# KiCad board tc2-panelized.kicad_pcb (continued)
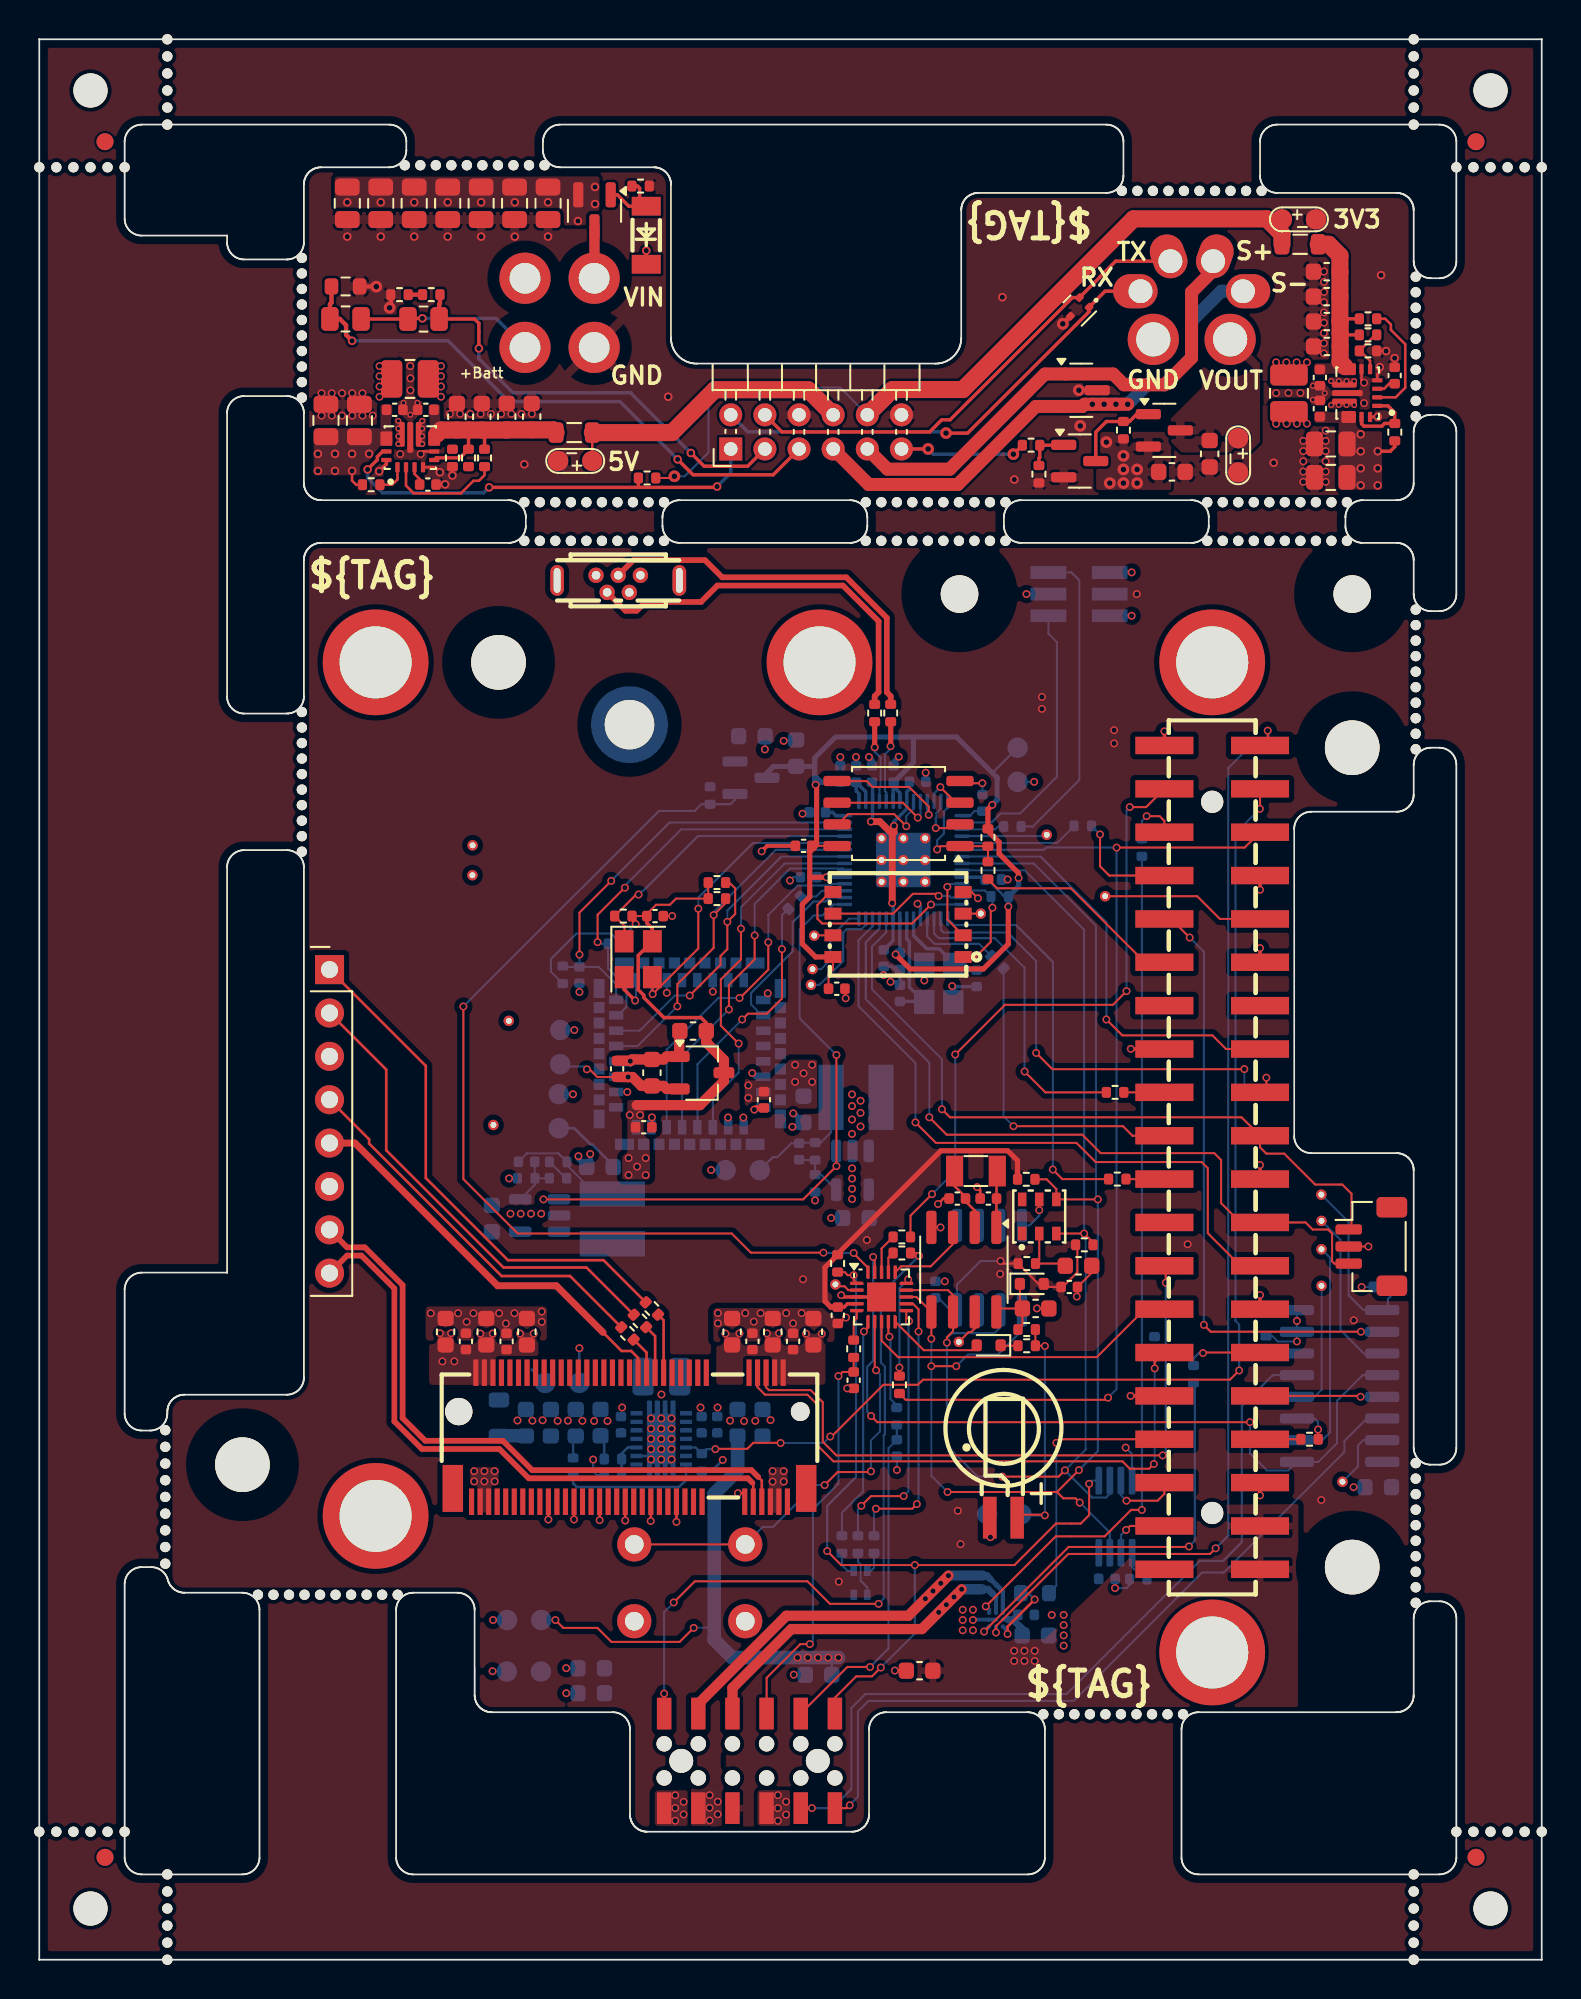
[diagram p0: board, top side]
## Routing (per net, layer and track width the routed paths; a pad name or vN(x,y) marks a point on that pad's centre or on a via; arc(x,y) is an arc through that point) (continued)
  Top w0.2: v1(34.9,56.19) 34.26,56.83 34.26,57.56 ; Board_0-J4.34 v1(71.5,62.68) ; Board_0-J4.39 v1(65.9,71.96) ; Board_0-J4.20 v1(71.5,46.55) ; v1(46.97,38.93) 46.97,38.91 47.05,38.83 Board_0-U1.3 Board_0-U1.21 ; Board_0-J4.30 v1(71.5,59.26) ; v1(50.11,16.94) 50.12,16.93 Board_0-C62.2 ; Board_0-J4.14 v1(71.5,38.94) ; v1(63.93,53.36) 63.94,53.35 Board_0-J4.25 ; Board_0-J4.6 v1(71.5,27.2) ; Board_0-J4.9 v1(63.92,33.03)
  Top w0.23: v1(42.31,64.93) 42.63,65.25 Board_0-C2.2
  Top w0.3: v1(41.88,49.8) 41.97,49.89 Board_0-C19.2
  Top w0.6: 37.48,54.37 37.48,52.91 36.74,52.91 36.57,52.74 Board_0-C23.2 34.72,52.74 v1(34.62,52.64) 34.59,52.67 Board_0-C22.2
  Bottom w0.12: Board_0-C11.2 44.78,67.21 v1(44.7,67.14) ; Board_0-R21.2 27.53,45.78 v1(27.52,45.77) ; Board_0-R23.2 45.44,44.48 v1(45.44,44.48) ; Board_0-C38.2 43.66,71.45 v1(43.6,71.4) ; Board_0-U8.25 34.95,56.24 v1(34.9,56.19) ; v1(46.38,43.45) 46.38,43.45 Board_0-C26.2 ; Board_0-C44.1 v1(50.23,28.69) ; v1(44.19,16.7) 44.2,16.69 Board_0-C64.2 ; Board_0-U8.27 36.75,56.64 v1(36.75,56.64) ; Board_0-C27.2 v1(31.64,56.69) ; Board_0-TP8.1 39.36,46.25 v1(39.35,46.26) ; Board_0-TP3.1 v1(58.27,69) ; v1(34.44,50.83) 34.44,50.83 Board_0-U8.18 ; v1(32.44,29.3) 32.44,28.61 32.66,28.39 Board_0-R45.2 ; Board_0-C10.2 44.17,63.42 v1(43.97,63.22) ; Board_0-TP10.1 v1(26.58,19.9) ; 31.54,17.07 30.88,17.07 v1(30.87,17.08) ; Board_0-C50.1 v1(63.01,21.77) 63.69,21.77 63.86,21.94 Board_0-R52.1 ; v1(63.63,30) 64,29.62 64,28.06 ; v1(55.24,68.92) 55.24,68.91 Board_0-C12.2 ; Board_0-C43.2 42.52,70.91 v1(42.5,70.9) ; Board_0-U15.8 v1(73.66,37.42) Board_0-U15.7 v1(73.66,36.22) 72.53,36.22 72.22,36.53 Board_0-R41.1 ; Board_0-C37.2 v1(76.98,27.68) ; Board_0-C48.1 v1(53.04,39.74) ; v1(58.57,43.91) 58.57,43.59 58,43.02 Board_0-U16.4 ; Board_0-R47.1 v1(77.45,39.41) ; 27.37,16.9 v1(26.55,16.9) ; Board_0-TP4.1 31.25,50.71 v1(31.26,50.7) ; Board_0-TP5.1 v1(31.34,54.46) ; 31.54,15.61 v1(30.87,15.61) ; Board_0-U8.30 v1(39.45,56.71)
  Bottom w0.15: v1(35.83,29.31) 35.63,29.51 Board_0-U5.2 ; 56.73,63.29 v1(56.72,63.28) Board_0-C8.2 ; Board_0-R44.2 39.38,28.63 v1(40.03,29.28) ; v1(31.63,35.82) 31.63,35.82 Board_0-TP1.1 ; v1(55.71,24.75) 55.71,25.91 Board_0-TP13.1
  Bottom w0.2: 50.41,57.28 v1(49.86,57.28) ; Board_0-C4.1 50.41,58.01 50.12,58.01 49.92,58.2 Board_0-C6.2 49.46,57.7 v1(49.45,57.69) ; Board_0-Y1.4 v1(51.84,57.37) ; Board_0-J9.6 v1(63.98,78.73) ; 54.9,57.01 53.75,57.01 53.54,56.8 Board_0-Y1.2 53.54,56.97 v1(53.47,57.03) ; Board_0-U3.19 51.61,61.69 v1(51.44,61.86) ; Board_0-J9.2 v1(63.98,81.27) ; Board_0-J9.3 v1(57.82,80)
  Bottom w0.23: v1(54.69,19.9) 54.71,19.93 Board_0-U14.C2 Board_0-U14.B2
  Bottom w0.3: v1(44.11,48.79) 44.52,48.79 Board_0-C31.2 44.23,49.58 v1(44.16,49.58) ; Board_0-C9.2 47.85,70.44 v1(47.84,70.45) ; Board_0-C5.2 51.93,69.53 v1(51.92,69.54) ; 42.38,49.89 41.97,49.89 v1(41.88,49.8) ; v1(40.34,49.34) 40.35,49.33 Board_0-U8.10 ; Board_0-U8.9 41.25,49.33 v1(41.24,49.34) ; v1(50.34,70.47) 50.04,70.17 Board_0-C14.2 ; v1(31.58,47.07) 31.58,46.92 Board_0-C30.2 32.27,46.64 v1(32.27,47.2) ; Board_0-C15.2 v1(46.92,70.45) ; v1(42.67,56.61) 42.67,56.48 Board_0-U8.1 ; v1(48.6,70.45) 48.78,70.27 Board_0-C7.2 ; v1(41.76,51.94) 41.98,51.73 Board_0-U8.6
  Bottom w0.4: 32.42,29.32 v1(32.44,29.3)
  Bottom w0.6: v1(34.62,52.64) 34.61,52.62 Board_0-U8.20
  vias: v1(22.93,37.87) v1(24.53,37.87) v1(25.03,37.37) v1(25.43,37.87) v1(25.47,28.62) v1(25.47,28.02) v1(26.07,28.62) v1(26.07,28.02) v1(26.67,28.62) v1(26.67,28.02) v1(26.93,37.87) v1(27.33,37.27) v1(27.6,43.7) v1(27.83,37.87) v1(28.01,31.59) v1(28.2,43.7) v1(28.8,43.7) v1(28.88,31.58) v1(29.4,43.7) v1(29.43,37.97) v1(29.43,37.37) v1(29.48,31.6) v1(30.36,31.57) v1(30.96,31.58) v1(31.81,31.57) v1(32.5,31.56) v1(33.28,31.56) v1(34.14,32.35) v1(35.83,31.71) v1(35.83,31.11) v1(35.83,30.51) v1(35.83,29.91) v1(36.44,33.11) v1(36.43,31.71) v1(36.43,31.11) v1(36.43,30.51) v1(36.43,29.91) v1(36.43,29.31) v1(37.03,31.71) v1(37.03,31.11) v1(37.03,30.51) v1(37.03,29.91) v1(37.03,29.31) v1(37.25,9.63) v1(37.25,8.89) v1(37.25,8.15) v1(37.74,9.25) v1(37.74,8.51) v1(38.73,32.35) v1(39.73,32.35) v1(39.75,37.88) v1(39.75,37.28) v1(40.46,31.58) v1(41.28,31.55) v1(41.35,37.88) v1(41.85,37.38) v1(41.94,31.57) v1(42.25,37.88) v1(42.83,31.61) v1(42.95,28.62) v1(42.95,28.01) v1(43.26,9.64) v1(43.26,8.88) v1(43.26,8.14) v1(43.6,28.62) v1(43.6,28.01) v1(43.74,9.26) v1(43.74,8.5) v1(43.75,37.88) v1(44.15,37.28) v1(44.65,37.88) v1(47.6,50.69) v1(47.6,50.01) v1(47.6,49.22) v1(47.6,48.38) v1(47.61,46.36) v1(47.61,45.76) v1(47.61,45.16) v1(47.61,44.56) v1(48.1,50.32) v1(48.1,49.61) v1(48.1,48.81) v1(54.09,20.5) v1(54.09,19.9) v1(54.09,19.3) v1(54.69,20.5) v1(54.69,19.3) v1(59.3,20.2) v1(60,20.2) v1(60,19.6) v1(60,19) v1(60,18.4)
Board_0-I2C_BUS_LOCK: length 6.6
  Top w0.12: v1(62.13,65.92) 62.13,64.05 62.67,63.51 Board_0-J4.33
  Bottom w0.12: Board_0-R53.1 v1(62.13,65.92)
Board_0-I2S_BCLK: length 24.2
  Top w0.12: v1(67.34,24.21) 67.31,24.18 60.29,24.18 v1(55.34,19.23)
  Bottom w0.12: Board_0-R34.1 67.68,33.72 67.68,24.55 v1(67.34,24.21)
  Bottom w0.23: Board_0-U14.C1 v1(55.34,19.23)
Board_0-I2S_DOUT: length 63.4
  Top w0.12: v1(68.9,24.1) 68.57,23.77 60.27,23.77 56.03,19.54 v1(56.03,19.17)
  Bottom w0.12: v1(68.9,24.1) 69.64,24.84 69.64,69.81 Board_0-R30.1
  Bottom w0.23: Board_0-U14.B1 v1(56.03,19.17)
Board_0-I2S_LRCLK: length 50.2
  Top w0.12: v1(55.44,20.7) 59.53,24.8 62.4,24.8 63.95,26.35 v1(64.58,26.35)
  Bottom w0.12: Board_0-R29.1 v1(64.58,26.35)
  Bottom w0.23: Board_0-U14.C3 55.63,20.5 v1(55.44,20.7)
Board_0-LEPTON_CLK_EN: length 17.1
  Top w0.12: v1(35.1,62.4) 34.96,62.4 Board_0-R17.1 34.27,60.56 34.27,59.7
  Bottom w0.12: v1(35.1,62.4) 35.3,62.6 35.36,62.6 38.58,65.82 Board_0-U3.39
Board_0-LEPTON_I2C_SCL: length 21.4
  Top w0.12: v1(37.37,55.85) 37.37,57.15 39.5,59.27 v1(39.5,61.2) 40.2,61.9 Board_0-R36.2
  Bottom w0.12: Board_0-U8.21 35.05,53.52 v1(37.37,55.85) ; v1(39.5,61.2) 39.5,61.38 43.14,65.02 Board_0-U3.37
Board_0-LEPTON_I2C_SDA: length 22.1
  Top w0.12: v1(38.1,56.48) 39.9,58.28 39.9,58.8 40.3,59.2 v1(40.3,60.8) 40.76,61.26 40.76,62.76 40.42,63.1 Board_0-R13.2
  Bottom w0.12: Board_0-U3.36 43.46,64.62 40.3,61.46 v1(40.3,60.8) ; Board_0-U8.22 35.16,54.42 37.22,56.48 v1(38.1,56.48)
Board_0-LEPTON_MASTER_CLK: length 18.5
  Top w0.12: v1(38.6,61.57) 38.6,59.24 v1(35.92,56.57) 35.92,57.61
  Bottom w0.12: Board_0-U3.38 41.8,65.42 38.6,62.22 v1(38.6,61.57) ; v1(35.92,56.57) 35.85,56.64 Board_0-U8.26
Board_0-LEPTON_POWER_EN: length 37.8
  Top w0.12: v1(29.53,44.54) 44.74,44.54 v1(46.69,46.49) v1(46.69,53)
  Bottom w0.12: v1(46.69,53) 44.54,55.15 44.54,60.35 45.36,61.17 45.87,61.17 46.52,61.82 Board_0-U3.29 ; Board_0-U10.1 30.44,44.54 v1(29.53,44.54) ; v1(46.69,46.49) 46.68,46.5 Board_0-U11.1
Board_0-LEPTON_PWR_DWN_L: length 23.7
  Top w0.12: v1(32.7,59.61) 32.7,61.21 34.29,62.8 v1(34.3,62.8)
  Bottom w0.12: Board_0-U3.40 37.6,66.22 34.3,62.92 v1(34.3,62.8) ; v1(32.7,59.61) 32.8,59.52 Board_0-R18.2 33.32,58.06 34.39,56.99 34.39,55.81 33.9,55.33
Board_0-LEPTON_RESET_L: length 25.3
  Top w0.12: v1(33.5,63.2) 31.64,61.34 v1(31.64,58.88)
  Bottom w0.12: v1(33.5,63.2) 36.92,66.62 Board_0-U3.41 ; Board_0-C27.1 30.7,58.16 ; Board_0-C27.1 v1(31.64,58.88) ; Board_0-C27.1 32.77,58.16 33.79,57.14 Board_0-U8.24
Board_0-LEPTON_SPI_CS: length 20.9
  Top w0.12: v1(42.7,59.6) 42.7,58 41.04,56.34 v1(41.01,56.34)
  Bottom w0.12: Board_0-U3.32 46.47,63.02 46.37,62.92 44.41,62.92 42.7,61.21 v1(42.7,59.6) ; Board_0-U8.14 36.75,53.33 39.76,56.34 v1(41.01,56.34)
Board_0-LEPTON_SPI_MISO: length 2.8
  Bottom w0.12: 44.55,62.29 45.51,62.29 45.84,62.62 Board_0-U3.31
Board_0-LEPTON_SPI_MOSI: length 21.6
  Top w0.12: v1(40.96,53.67) 39.92,54.71 39.92,57.42 41.1,58.6 v1(41.1,60.4)
  Bottom w0.12: Board_0-U8.11 39.45,50.45 40.96,51.97 v1(40.96,53.67) ; v1(41.1,60.4) 41.1,61.66 43.66,64.22 Board_0-U3.35
Board_0-LEPTON_SPI_SCLK: length 21
  Top w0.12: v1(40.39,55.67) 40.39,57.09 41.9,58.6 v1(41.9,60)
  Bottom w0.12: Board_0-U8.13 37.65,52.92 v1(40.39,55.67) ; Board_0-U3.34 47.07,63.92 43.97,63.92 41.9,61.85 v1(41.9,60)
Board_0-LEPTON_VSYNC: length 10.4
  Bottom w0.12: Board_0-U3.30 46.28,62.22 46.05,61.99 45.35,61.99 44.13,60.77 44.13,59.07 41.69,56.63 41.69,55.96 42.33,55.33 Board_0-U8.2
Board_0-MEM_SPI_MISO: length 4.2
  Top w0.12: v1(53.19,62.85) 53.19,60.93 Board_0-U4.2
  Bottom w0.12: Board_0-U3.11 53.36,63.02 v1(53.19,62.85)
Board_0-MEM_SPI_MOSI: length 10.9
  Top w0.12: 46.34,62.55 45.58,61.79 45.58,60.98 45.86,60.7 51.12,60.7 v1(52.23,61.81)
  Bottom w0.12: Board_0-U3.14 52.24,61.82 v1(52.23,61.81)
Board_0-MEM_SPI_SCLK: length 8.1
  Top w0.12: v1(52.68,62.32) 52.56,62.44 51.16,62.44 50,61.28 Board_0-U4.6
  Bottom w0.12: Board_0-U3.13 53.4,62.22 53.3,62.32 v1(52.68,62.32)
Board_0-MEM_SPI_~{CS}: length 6.4
  Top w0.12: Board_0-U4.1 54.84,58.74 55.73,59.63 55.73,61.53 v1(55.83,61.63)
  Bottom w0.12: v1(55.83,61.63) 55.83,62.2 ; 54.05,62.63 55.4,62.63 Board_0-R9.1
Board_0-MODEM_POWER_EN: length 69.3
  Top w0.12: v1(46.33,30.65) 46.41,30.65 49.44,33.68 51.46,33.68 51.76,33.98 69.74,33.98 v1(70.28,34.52) ; v1(71.49,67.42) 71.5,67.43 Board_0-J4.38 ; v1(43.42,30.27) 43.41,30.28 41.82,30.28 41.47,29.93 39.62,29.93 v1(39.6,29.91)
  Bottom w0.12: v1(39.6,29.91) 39.06,29.91 Board_0-R44.1 38.44,30.01 Board_0-U5.12 ; v1(43.42,30.27) 45.95,30.27 v1(46.33,30.65) ; v1(71.49,67.42) 70.06,65.99 70.06,37.43 70.28,37.21 v1(70.28,34.52)
Board_0-MUL_S0: length 35.2
  Top w0.12: v1(77.41,36.79) 68.61,36.79 v1(68.21,37.19) ; 66.29,60.97 v1(67.38,59.88)
  Bottom w0.12: v1(68.21,37.19) 68.21,59.05 v1(67.38,59.88) ; Board_0-U15.10 77.41,36.78 v1(77.41,36.79)
Board_0-Net-(D2-K): length 1
  Top w0.12: Board_0-R7.2 56.33,35.97
Board_0-Net-(J4-GPIO14/TXD): length 2.3
  Top w0.12: Board_0-J4.8 73.8,30.49
Board_0-Net-(J4-GPIO18/PWM0): length 4.5
  Top w0.12: v1(68.16,35.54) 68.19,35.57 Board_0-J4.12
  Bottom w0.12: Board_0-R34.2 67.61,35.23 67.92,35.54 v1(68.16,35.54)
Board_0-Net-(J4-GPIO19/MISO1): length 3.3
  Top w0.12: Board_0-J4.35 65.9,66.71 65.62,66.99 v1(64.86,66.99)
  Bottom w0.12: Board_0-R29.2 64.58,66.71 v1(64.86,66.99)
Board_0-Net-(J4-GPIO21/SCLK1): length 1.3
  Top w0.12: v1(71.95,72) 71.95,71.58
  Bottom w0.12: v1(71.95,72) 72,71.95 Board_0-R30.2
Board_0-Net-(R20-Pad2): length 1.3
  Bottom w0.12: 30.84,45.78 29.89,46.73
Board_0-Net-(U3-XIN): length 5.5
  Bottom w0.2: Board_0-Y1.1 54.2,58.3 54.53,57.97 Board_0-C3.2 ; Board_0-U3.20 51.21,60 51.99,59.22 52.72,59.22 53.54,58.39
Board_0-Net-(U3-XOUT): length 6.8
  Bottom w0.2: Board_0-U3.21 50.81,59.8 50.97,59.64 50.97,56.97 Board_0-Y1.3 51.8,56.13 Board_0-C4.2
Board_0-Net-(U5-FB): length 2.3
  Bottom w0.15: Board_0-U5.3 34.48,30.01 34.11,29.64 Board_0-R42.2 Board_0-R45.1
Board_0-Net-(U5-PG): length 8.3
  Bottom w0.15: Board_0-R43.2 31.27,27.9 31.48,27.69 37.47,27.69 37.88,28.1 Board_0-U5.14
Board_0-Net-(U8-SPI_MISO): length 15.6
  Top w0.12: v1(41.17,55.08) 41.51,55.42 42.61,55.42 43.5,56.31 v1(43.5,59.2)
  Bottom w0.12: Board_0-U8.12 38.55,52.46 v1(41.17,55.08) ; Board_0-R16.2 43.5,61.18 v1(43.5,59.2)
Board_0-Net-(U12-USIM_CLK): length 2.9
  Top w0.15: Board_0-R26.1 36.07,36.53 Board_0-U12.32
Board_0-Net-(U12-USIM_DATA): length 3
  Top w0.15: 35.55,34.33 35.55,35.11 ; Board_0-R27.1 35.57,35.57 Board_0-U12.34
Board_0-Net-(U12-USIM_RST): length 3.5
  Top w0.15: Board_0-R25.1 36.57,37.46 Board_0-U12.30
Board_0-Net-(U14-~{SD_MODE}): length 4.2
  Top w0.15: v1(58.3,21.1) 56.71,19.51 v1(56.71,19.08)
  Bottom w0.15: v1(58.3,21.1) 57.93,21.47 57.47,21.47
  Bottom w0.23: Board_0-U14.A1 56.71,19.25 v1(56.71,19.08)
Board_0-Net-(U15-1Y2): length 4.1
  Bottom w0.12: Board_0-TP15.1 77.24,28.91 77.24,30.13 77.55,30.44 Board_0-U15.15
Board_0-Net-(U15-1Y3): length 9.9
  Bottom w0.12: Board_0-U15.11 77.59,35.52 76.21,36.89 76.21,42.17 Board_0-TP11.1
Board_0-Net-(U15-2Y2): length 13.1
  Bottom w0.12: Board_0-U15.2 75.14,30.44 75.6,30.89 75.6,41.12 Board_0-TP16.1
Board_0-Net-(U15-2Y3): length 7.7
  Bottom w0.12: 75.11,39.49 75.11,33.39 74.69,32.98 Board_0-U15.4
Board_0-Net-(U15-S1): length 10.4
  Bottom w0.12: Board_0-TP7.1 76.69,43.22 76.69,38.93 77.56,38.05 Board_0-U15.9 78.99,38.38 78.99,38.7 79.14,38.85 Board_0-R47.2
Board_0-Net-(U18-READY): length 2.2
  Bottom w0.12: Board_0-R52.2 64.88,22.71 64.72,22.87 64.13,22.87 64,23 64,23.84
Board_0-OUT_RX: length 44.8
  Top w0.12: Board_0-J10.2 47.3,8.88 v1(47.47,9.05)
  Bottom w0.12: v1(47.47,9.05) 47.47,9.07 47.95,9.55 47.95,14.54 48.57,15.16 60.58,15.16 68.1,22.68 69.37,22.68 76.44,29.75 76.44,30.38 77.77,31.7 Board_0-U15.14
Board_0-OUT_TX: length 47
  Top w0.12: Board_0-J10.4 v1(45.25,8.88)
  Bottom w0.12: Board_0-U15.5 72.25,34.24 70.43,32.43 70.43,24.46 69.33,23.36 67.97,23.36 60.17,15.56 48.37,15.56 47.56,14.75 47.56,9.99 46.45,8.88 v1(45.25,8.88)
Board_0-PDM_CLOCK: length 18.2
  Bottom w0.12: Board_0-J9.1 60.45,81.27 60.92,80.8 60.92,69.11 58.19,66.38 Board_0-R28.2
Board_0-PDM_DATA: length 16.3
  Bottom w0.12: Board_0-U3.2 55.78,66.62 56.31,67.15 57.46,67.15 59.6,69.29 59.6,77.19 59.1,77.69 Board_0-J9.5
Board_0-QSPI_SCLK: length 6.1
  Top w0.12: v1(51.45,66.9) 50.58,67.78 46.76,67.78
  Bottom w0.12: v1(51.45,66.9) 51.61,67.06 Board_0-U3.52
Board_0-QSPI_SD0: length 7.3
  Top w0.12: v1(52.1,67.07) 52.1,67.55 50.95,68.7 48.81,68.7 48.46,69.05 46.76,69.05
  Bottom w0.12: Board_0-U3.53 52.01,67.16 v1(52.1,67.07)
Board_0-QSPI_SD1: length 3.2
  Top w0.12: 53.96,66.5 53.75,66.29 v1(52.51,66.29)
  Bottom w0.12: Board_0-U3.55 52.81,67.44 52.54,67.17 52.54,66.89 52.51,66.86 v1(52.51,66.29)
Board_0-QSPI_SD2: length 2.3
  Top w0.12: 53.69,67.78 v1(52.78,68.69)
  Bottom w0.12: v1(52.78,68.69) 52.41,68.32 Board_0-U3.54
Board_0-QSPI_SD3: length 6.2
  Top w0.12: v1(50.78,66.4) 50.07,67.11 47.37,67.11 46.76,66.5
  Bottom w0.12: v1(50.78,66.4) 50.78,66.99 51.21,67.42 Board_0-U3.51
Board_0-QSPI_SS: length 7
  Top w0.12: v1(52.59,65.04) 52.78,65.23 53.96,65.23 ; Board_0-R1.1 55.57,65.22 ; Board_0-R2.2 53.97,65.23
  Bottom w0.12: v1(52.59,65.04) 52.59,65.57 52.98,65.96 52.98,67.27 53.21,67.49 Board_0-U3.56
Board_0-RPI_PING: length 25.5
  Top w0.12: v1(62.5,55.08) 63.43,54.15 68.71,54.15 69.51,53.35 Board_0-J4.26
  Bottom w0.12: Board_0-U3.7 58.65,64.62 62.5,60.77 v1(62.5,55.08)
Board_0-RPI_RX: length 7.2
  Top w0.12: Board_0-J4.10 77.34,33.03 v1(77.39,32.98)
  Bottom w0.12: Board_0-U15.13 77.4,32.98 v1(77.39,32.98)
Board_0-RPI_SCL: length 4.4
  Top w0.12: Board_0-J4.5 65.9,27.29 65.5,26.89 v1(63.68,26.89)
  Bottom w0.12: Board_0-U18.3 63.36,27.21 v1(63.68,26.89)
Board_0-RPI_SDA: length 3.8
  Top w0.12: Board_0-J4.3 63.89,25.41 v1(63.66,25.18)
  Bottom w0.12: v1(63.66,25.18) 63.36,24.88 Board_0-U18.6
Board_0-RPI_SPI_CS: length 26.4
  Top w0.12: v1(70.58,52.17) 59.34,52.17 v1(58.39,53.12)
  Bottom w0.12: v1(58.39,53.12) 58.39,58.5 56.71,60.18 52.95,60.18 52.81,60.32 Board_0-U3.16 ; v1(70.58,52.17) 70.58,51.07 Board_0-R31.2
Board_0-RPI_SPI_MISO: length 18.6
  Top w0.12: Board_0-J4.21 64.03,48.27 63.47,48.83 v1(57.06,48.83)
  Bottom w0.12: Board_0-R48.2 56.48,49.41 v1(57.06,48.83)
Board_0-RPI_SPI_MOSI: length 22.9
  Top w0.12: v1(59.36,46.29) 59.92,45.73 Board_0-R14.2
  Bottom w0.12: v1(59.36,46.29) 59.37,46.3 59.37,58.45 57.21,60.61 53.58,60.61 Board_0-U3.15
Board_0-RPI_SPI_SCLK: length 18.4
  Top w0.12: v1(57.71,52.03) 58.93,50.81 Board_0-R32.2
  Bottom w0.12: v1(57.71,52.03) 57.71,58.11 55.98,59.84 52.69,59.84 52.41,60.12 Board_0-U3.17
Board_0-RPI_TX: length 2.3
  Top w0.12: v1(74.9,31.06) 74.91,31.05 Board_0-R37.2
  Bottom w0.12: Board_0-U15.3 74.69,31.7 74.9,31.5 v1(74.9,31.06)
Board_0-RTC_BT_SENSE_PHY: length 5.6
  Top w0.12: Board_0-D2.2 54.62,35.71 51.8,35.71 Board_0-U1.10
Board_0-RUN: length 38.4
  Top w0.12: v1(51.32,49.05) 52.52,47.85 60.75,47.85 61.87,46.73 68.08,46.73 68.44,46.37 68.44,42.56 70.35,40.65
  Bottom w0.12: v1(51.32,49.05) 51.32,52.53 47.98,55.87 47.98,59.71 48.81,60.54 Board_0-U3.26
Board_0-SCL: length 71.8
  Top w0.12: Board_0-U1.14 53.23,39.23 53.52,38.93 Board_0-U6.6 53.52,36.82 53.16,36.46 v1(53.16,36.15) ; Board_0-U13.3 v1(61.2,42.54) 61.72,42.02 Board_0-R11.2 ; v1(56.4,28.3) 59.7,28.3 v1(60.07,28.67)
  Bottom w0.12: v1(56.4,28.3) 54.97,28.3 53.16,30.11 v1(53.16,36.15) 53.16,36.41 53.44,36.69 53.57,36.69 53.58,36.7 55.94,36.7 56.29,37.05 Board_0-U16.6 ; 62.7,28.06 62.7,27.3 62.47,27.07 61.67,27.07 v1(60.07,28.67) 61.29,29.89 61.29,42.45 v1(61.2,42.54) 61.2,60.33 57.71,63.82 Board_0-U3.9
Board_0-SDA: length 79.9
  Top w0.12: v1(62,44.54) Board_0-U13.4 59.57,45.15 59,45.72 Board_0-R10.2 ; 59.61,27.4 59.98,27.03 60.69,27.03 v1(60.94,26.78) ; 59.61,27.4 v1(53.2,27.4) ; 59.61,27.4 v1(60.89,28.68) ; v1(52.25,36.38) Board_0-U6.5 51.38,38.83 Board_0-U1.13 ; v1(53.71,34.77) v1(52.25,34.77)
  Bottom w0.12: v1(53.2,27.4) 52.25,28.35 v1(52.25,34.77) v1(52.25,36.38) ; Board_0-U3.8 58.24,64.22 61.89,60.57 61.89,44.65 v1(62,44.54) 62,29.79 v1(60.89,28.68) ; v1(60.94,26.78) 62.7,25.02 62.7,23.84 ; Board_0-U16.5 57.56,36.86 56.15,35.45 54.39,35.45 v1(53.71,34.77)
Board_0-SPEAKER_+: length 25.1
  Top w0.6: Board_0-J10.9 38.6,14.99 43.76,20.15 50.9,20.15 v1(53.25,22.5)
  Bottom w0.23: Board_0-U14.A3 56.44,21.59 56.37,21.65
  Bottom w0.292: 56.06,21.95 56.07,21.95 56.37,21.65
  Bottom w0.3: 56.06,21.95 55.7,22.31
  Bottom w0.4: 55.7,22.31 55.51,22.5 55.25,22.5
  Bottom w0.6: 55.25,22.5 v1(53.25,22.5) v1(51.9,21.15)
  vias: v1(52.35,21.6) v1(52.8,22.05)
Board_0-SPEAKER_-: length 22.3
  Top w0.6: v1(54.02,21.7) 51.7,19.37 44.05,19.37 40.6,15.92 Board_0-J10.7
  Bottom w0.23: 56.03,21.25 Board_0-U14.B3
  Bottom w0.3: 56.03,21.25 55.86,21.42
  Bottom w0.4: 55.22,21.7 55.58,21.7 55.86,21.42
  Bottom w0.6: v1(52.68,20.35) 52.98,20.64 52.98,20.65 v1(54.02,21.7) 55.22,21.7
  vias: v1(53.13,20.8) v1(53.58,21.25)
Board_0-SPEAKER_SD_MODE: length 15.4
  Top w0.12: v1(59.57,30.28) 59.78,30.49 Board_0-J4.7
  Bottom w0.12: v1(59.57,30.28) 59.57,21.92 59.12,21.47
Board_0-SW_CLK: length 41.7
  Top w0.12: v1(52.87,49.82) 53.34,49.35 70.42,49.35 Board_0-J4.22 71.5,47.59 71.87,47.22 72.92,47.22 74.73,45.41 76.32,45.41 76.86,44.87 76.86,42.78
  Bottom w0.12: v1(52.87,49.82) 52.87,52.76 48.77,56.86 48.77,59.34 49.61,60.18 Board_0-U3.24
Board_0-SWD: length 43.7
  Top w0.12: v1(52.13,49.35) 53.15,48.33 61.09,48.33 62.17,47.25 68.82,47.25 69.22,46.85 69.22,44.32 70.35,43.19 ; 76.86,40.78 76.06,40.78 ; Board_0-J3.3 75.85,40.78 75.72,40.91 75.72,42.55 75.49,42.77 74.59,42.77 74.17,43.19 Board_0-J4.18
  Bottom w0.12: v1(52.13,49.35) 52.13,52.55 48.41,56.27 48.41,59.61 49.21,60.41 Board_0-U3.25
Board_0-unconnected-(J12-ID-Pad4): length 0
  Top w0.33: 34.57,80.09 Board_0-J12.4
Board_0-USB_D+: length 22.7
  Top w0.33: Board_0-R50.2 49.87,74.02 49.64,74.25 49.64,78.61 47.27,80.98 40,80.98 38.99,81.98 34.8,81.98 Board_0-J12.3
Board_0-USB_D-: length 22.8
  Top w0.33: Board_0-R51.2 48.93,74.02 49.16,74.25 49.16,78.41 47.07,80.5 39.72,80.5 38.76,79.54 35.51,79.54 34.99,79.02 34.34,79.02 Board_0-J12.2
Board_0-USIM_CLK: length 27.9
  Top w0.15: Board_0-R26.2 32.05,40.55 27.19,40.55 20.32,47.42 20.32,52.15 17.01,55.46 Board_0-J11.2
Board_0-USIM_DATA: length 22.8
  Top w0.15: Board_0-J11.4 19.32,48.06 19.32,47.81 27.08,40.05 31.09,40.05 Board_0-R27.2
Board_0-USIM_RST: length 30.4
  Top w0.15: Board_0-R25.2 33.05,40.98 27.45,40.98 22.64,45.79 22.64,52.36 Board_0-J11.1
Board_0-USIM_VDD: length 24.2
  Top w0.15: Board_0-U12.36 35.07,35.26 34.67,35.66 34.11,35.66 33.02,36.75
  Top w0.4: 33.02,36.75 30.29,39.48 26.85,39.48 18.49,47.84 Board_0-J11.5
Board_0-~{EN_RP2040_POWER}: length 57.2
  Top w0.12: v1(45.93,41.42) 41.68,41.42 40.56,42.54 28.03,42.54 24.84,45.73 v1(24.84,55.84) ; v1(47.7,41.4) 47.71,41.39 47.71,41.37 48.53,40.54
  Bottom w0.12: v1(24.84,55.84) 36.3,67.3 38.4,67.3 38.79,67.69 Board_0-R38.1 40.49,67.69 40.74,67.94 Board_0-Q1.1 ; v1(45.93,41.42) 45.95,41.4 v1(47.7,41.4)
Board_0-~{LED_B}: length 2.7
  Bottom w0.12: Board_0-LED1.3 48.5,21.82 48.11,22.2 48.11,23.16 47.95,23.32 Board_0-R4.2
Board_0-~{LED_G}: length 1.3
  Bottom w0.12: Board_0-R3.2 48.89,22.95 48.72,22.78 Board_0-LED1.4
Board_0-~{LED_R}: length 1.5
  Bottom w0.12: Board_0-LED1.1 47.34,22.78 47.01,23.11 Board_0-R5.2
Board_0-~{PI_POWERED_OFF}: length 18.1
  Top w0.12: Board_0-U1.8 49.33,36.27 50.3,35.3 61.94,35.3 64.75,38.11
Board_0-~{PI_SHUTDOWN}: length 36.7
  Top w0.12: v1(53.65,53.03) 56.56,55.94 62.88,55.94 v1(63.68,56.74) ; Board_0-R35.2 51.03,43.59 v1(52.29,44.85) ; v1(63.87,67.52) 64.83,67.52 Board_0-J4.37
  Bottom w0.12: v1(53.65,53.03) 53.65,46.21 v1(52.29,44.85) ; v1(63.87,67.52) 63.68,67.33 v1(63.68,56.74)
Board_0-~{READ_ATTINY_CMD_REG}: length 62.7
  Top w0.12: v1(63.1,65.15) 70.6,65.15 Board_0-J4.36 ; Board_0-R15.2 50.75,32.8 62.48,32.8 v1(62.6,32.92)
  Bottom w0.12: Board_0-U3.6 58.84,65.02 58.97,65.15 v1(63.1,65.15) 63.1,33.42 v1(62.6,32.92)
Board_0-~{RTC_INT}: length 5
  Top w0.12: Board_0-U1.16 50.48,40.62 52.21,40.62 53.52,41.93 Board_0-U6.3
Board_0-~{W_DISABLE1}: length 35.7
  Top w0.12: v1(65.33,34.64) 65.33,35 Board_0-J4.11 ; v1(65.28,29.04) 65,28.76 63.88,28.76 63.44,29.2 46.51,29.2 45.55,30.16 45.55,32.54 44.99,33.1 42.51,33.1 42.06,33.55 42.06,34.89
  Bottom w0.12: Board_0-R24.2 65.33,35.47 v1(65.33,34.64) 65.33,29.09 v1(65.28,29.04)
Board_1-5V_EN: length 26.2
  Top w0.2: v3(19.23,87.3) 19.8,87.87 19.8,88.05 20.11,88.35 Board_1-U2.14 ; 35.1,86.25 39.65,86.25 v3(39.7,86.3) ; 35.1,86.25 v3(26.35,86.25) ; 35.1,86.25 35.09,86.26 Board_1-R9.2
  Bottom w0.2: v3(39.7,86.3) 40.5,87.1 Board_1-J3.1 ; v3(26.35,86.25) 26.02,85.92 20.11,85.92 19.23,86.8 v3(19.23,87.3)
Board_1-+3V3: length 48.5
  Top w0.12: Board_1-R9.1 37.1,86.8 v2(37.2,86.9)
  Top w0.2: Board_1-FB1.2 72.78,100.5 Board_1-TP2.2
  Top w1: Board_1-J3.10 49.98,91.98 54.09,91.98 64.09,101.98 71.89,101.98 72.78,101.09 Board_1-FB1.2
  Bottom w0.12: v2(37.2,86.9) 37.8,86.9 39.2,88.3 39.2,91.3 40,92.1 46.9,92.1 Board_1-J3.10
Board_1-+5V: length 17.4
  Top w0.15: Board_1-TP3.2 32.39,89.45 Board_1-FB2.2
  Top w1: Board_1-J3.8 45.03,91.97 39.57,91.97 37.06,89.46 Board_1-FB2.2
Board_1-/+Batt: length 10.3
  Top w0.2: v3(22.44,96.15) 21.63,96.15 Board_1-R6.1 18.86,96.11 Board_1-R5.1
  Bottom w0.2: Board_1-J1.4 26.75,96.15 v3(22.44,96.15)
Board_1-BATT_SENSE_HV: length 25.2
  Top w0.2: v3(38.16,88.27) 38.94,87.49 41.49,87.49 Board_1-J3.3 ; v3(25.75,94.39) 25.75,95.86 25.5,96.11 23.97,96.11
  Top w0.254: Board_1-R6.2 23.42,96.98 23.47,97.03 Board_1-R8.1
  Bottom w0.2: v3(25.75,94.39) 25.75,93.78 27.74,91.79 34.64,91.79 v3(38.16,88.27)
Board_1-BATT_SENSE_LV: length 34.2
  Top w0.15: 38.29,86.99 38.31,86.99
  Top w0.2: 38.31,86.99 42.99,86.99 Board_1-J3.5 ; v3(37.39,87.89) 38.29,86.99
  Top w0.254: 17.02,98.02 17.03,98.02 ; Board_1-R7.1 17.11,97.08 17.02,96.98 Board_1-R5.2 17.6,96.12 17.97,95.75 17.97,95.19 v3(18.32,94.83)
  Bottom w0.2: v3(18.32,94.83) 23.96,94.83 27.51,91.28 34,91.28 v3(37.39,87.89)
Board_1-EN_PERIPH_POWER: length 7.4
  Top w0.2: Board_1-R2.1 v2(57.05,88.19) ; v2(52.06,88.5) Board_1-J3.11 50.51,88.49
  Bottom w0.2: v2(57.05,88.19) 57.05,88.2 52.36,88.2 v2(52.06,88.5)
Board_1-GND: length 10.5
  Top w0.15: Board_1-U1.4 78.37,92.87 78.52,93.02 v3(78.52,93.3) ; Board_1-C12.2 v3(79.38,93.83) ; Board_1-U1.15 78.38,90.38 v3(78.4,90.38) ; Board_1-R17.2 v3(24.2,86.94) ; Board_1-U2.4 23.18,87.43 23.46,87.15 v3(23.46,87.13) ; Board_1-R13.2 78.87,94.25 v3(78.88,94.23) ; v1(77.59,92.38) 77.44,92.53 Board_1-U1.6 ; Board_1-U2.6 22.49,88.35 v1(22.34,88.2)
  Top w0.2: v3(23.77,86.42) 23.76,86.41 Board_1-C21.2 ; v3(19.91,87.19) 20.33,87.62 Board_1-U2.15
  Top w0.254: 18.85,98.02 19.73,98.02 v2(19.74,98.01) ; Board_1-D2.3 v2(59.95,95.83) ; Board_1-R10.2 20.59,96.84 v2(20.52,96.77) ; Board_1-D3.3 v2(60.89,91.94)
  vias: v1(16.53,91.77) v1(16.53,90.45) v1(17.13,91.77) v1(17.13,90.45) v1(17.73,91.77) v1(17.73,90.45) v1(18.33,91.77) v1(18.33,90.45) v1(18.93,91.77) v1(18.93,90.45) v1(19.53,90.45) v1(21.14,88.2) v1(21.73,93.35) v1(21.74,92.63) v1(21.74,91.94) v1(24.05,90.56) v1(24.65,90.56) v1(25.25,90.56) v1(25.85,90.56) v1(26.45,90.56) v1(27.05,90.56) v1(27.65,90.56) v1(28.25,90.56) v1(28.85,90.56) v1(72.44,91.78) v1(73.16,91.78) v1(73.86,91.78) v1(74.03,88.97) v1(74.03,88.38) v1(74.03,87.78) v1(74.03,87.17) v1(74.03,86.58) v1(75.25,98.9) v1(75.25,98.3) v1(75.25,97.69) v1(75.25,97.09) v1(75.25,96.5) v1(75.25,95.9) v1(75.25,95.3) v1(75.25,94.69) v1(75.25,94.09) v1(75.34,89.58) v1(75.34,88.97) v1(75.34,88.38) v1(75.34,87.78) v1(75.34,87.17) v1(75.34,86.58) v1(77.59,91.19) v2(60.97,89.85) v3(18.04,100.94) v3(20,100.94) v3(21.96,100.94) v3(23.92,100.94) v3(25.88,100.94) v3(27.85,100.94) v3(28.41,87.6) v3(29.8,100.94) v3(36.84,91.56) v3(56.41,97.39) v3(57.11,86.71) v3(72.3,87.69) v3(78.59,98.68) v4(21.34,91.2) v4(21.73,90.5) v4(22.15,91.2) v4(74.59,92.2) v4(74.59,91.38) v4(75.3,91.78)
Board_1-Net-(D1-A): length 4.1
  Top w0.2: Board_1-Q2.1 33.86,103.39 34.53,102.72 Board_1-D1.2 35.16,103.11 35.16,103.78 35.04,103.9 34.64,103.9
